# Altium PCB PCB1.PcbDoc (part 6 of 6)
Units mm, origin at the board's own origin, x right, y up, seen from the top; angles counter-clockwise.
Board outline 298.25 x 690.26 mm, 2 copper layers (Top Layer, Bottom Layer); 51 components, 44 nets, 196 pads, 2408 vias.
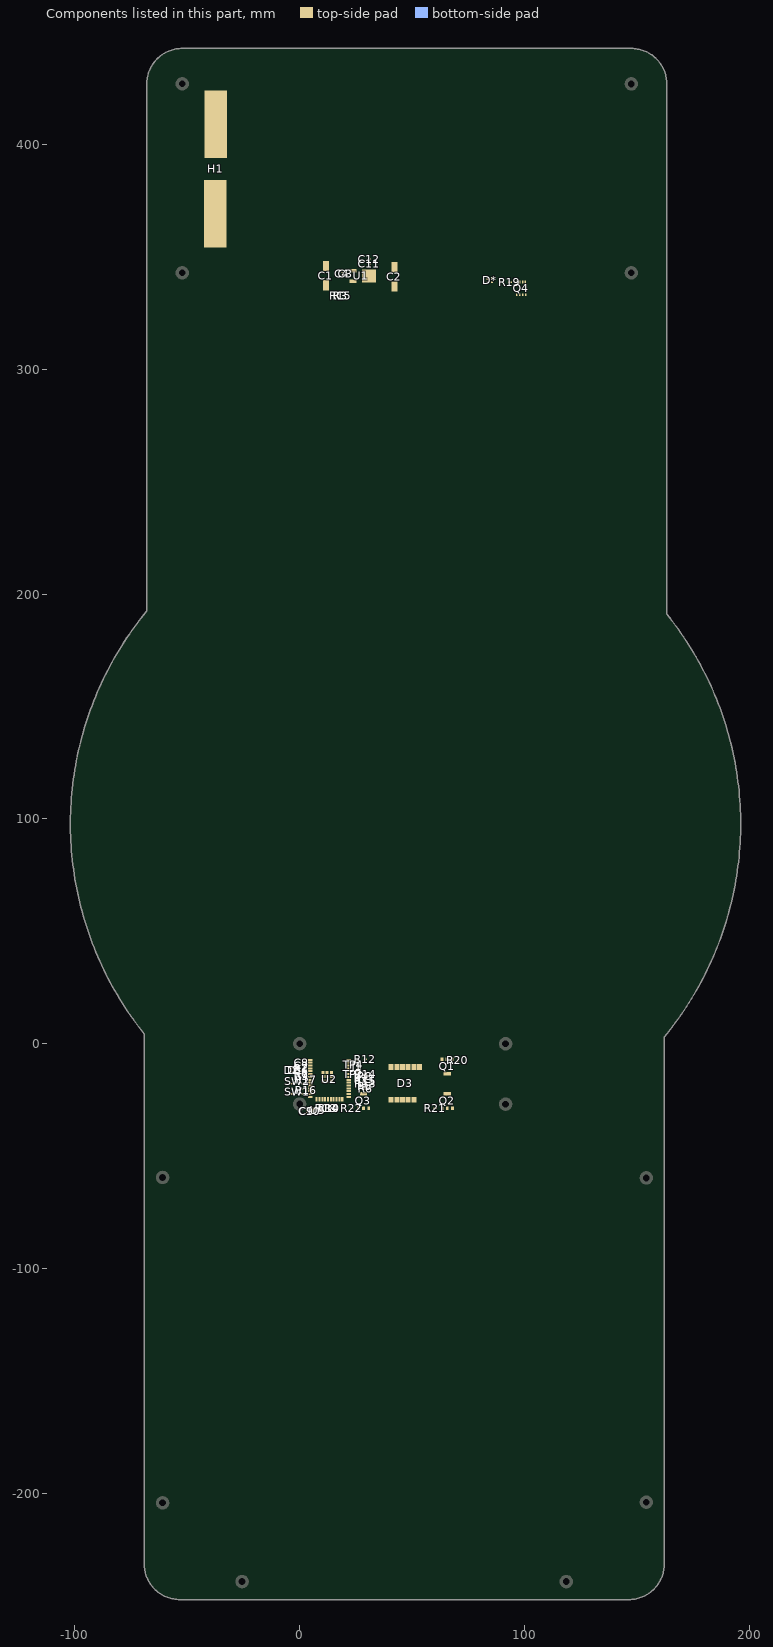
[diagram p6: the components of this part, seen from the top]

## Silkscreen, mask and mechanical layers (free items; w line width, h text height) (continued)
Mechanical 3:
  lines w0.25: -68.471,-183.595 -68.471,-79.845 ; -53.471,-183.595 -53.471,-79.845 ; -5.222,-246.845 98.529,-246.845 ; -5.222,-231.845 98.529,-231.845 ; 146.778,-183.595 146.778,-79.845 ; 161.778,-183.595 161.778,-79.845
  lines w0.254: -68.471,-183.595 ccw(c-60.971,-183.595) -53.471,-183.595 ; -68.471,-79.845 cw(c-60.971,-79.845) -53.471,-79.845 ; -5.222,-246.845 cw(c-5.221,-239.345) -5.221,-231.845 ; 98.529,-246.845 ccw(c98.529,-239.345) 98.529,-231.845 ; 146.778,-183.595 ccw(c154.278,-183.595) 161.778,-183.595 ; 146.778,-79.844 cw(c154.278,-79.845) 161.778,-79.845
  text "Top Steel Stiffener" at 172.803,-159.219 h1.52
Mechanical 4:
  lines w0.25: -67.944,327.385 -4.288,327.385 99.463,327.385 ; -67.881,327.385 -67.881,427.135 ; -52.882,442.77 147.59,442.77 ; -4.489,10.5 -4.489,-31.33 95.714,-31.33 96.095,-30.949 96.095,9.339 ; 99.462,327.385 163.246,327.385 ; 163.246,327.388 163.246,427.114
  lines w0.254: -67.881,427.135 cw(c-52.241,427.135) -52.241,442.775 ; -4.42,10.5 ccw(c46.819,97.575) 96.031,9.339 ; 147.606,442.754 cw(c147.606,427.114) 163.246,427.114
  text "Bottom Steel Stiffener" at 174.37,343.187 h1.52
  text "Bottom Steel Stiffener" at 173.275,-16.098 h1.52
Drill Drawing:
  rectangle: 15.662,325.335 17.512,327.185
  region: 9.512,315.335 9.512,317.185 7.662,317.185 7.662,315.335
  region: 9.512,319.185 7.662,319.185 7.662,317.335 9.512,317.335
  region: 109.512,319.185 107.662,319.185 107.662,317.335 109.512,317.335
  region: 109.512,315.335 109.512,317.185 107.662,317.185 107.662,315.335
  rectangle: 115.662,325.335 117.512,327.185
  region: 78.579,-229.795 76.729,-229.795 76.729,-231.645 78.579,-231.645
  region: 84.729,-219.795 84.729,-221.645 86.579,-221.645 86.579,-219.795
  rectangle: 84.729,-223.645 86.579,-221.795
  rectangle: 84.729,-123.645 86.579,-121.795
  region: 84.729,-119.795 84.729,-121.645 86.579,-121.645 86.579,-119.795
  region: 78.579,-129.795 76.729,-129.795 76.729,-131.645 78.579,-131.645
  region: -21.421,-129.795 -23.271,-129.795 -23.271,-131.645 -21.421,-131.645
  region: -15.271,-119.795 -15.271,-121.645 -13.421,-121.645 -13.421,-119.795
  rectangle: -15.271,-123.645 -13.421,-121.795
  rectangle: -15.271,-223.645 -13.421,-221.795
  region: -15.271,-219.795 -15.271,-221.645 -13.421,-221.645 -13.421,-219.795
  region: -21.421,-229.795 -23.271,-229.795 -23.271,-231.645 -21.421,-231.645

## Text inside footprints (layer, text, board x,y; h text height)
C1: Top Overlay "+" at 9.99,337.129 h1.52 r90
C2: Top Overlay "+" at 40.47,336.621 h1.52 r90
H1: Top Overlay "GND" at -30.977,412.861 h3 r270; Top Overlay "VCC" at -31.104,373.11 h3 r270